# KiCad board Register File.kicad_pcb (continued)
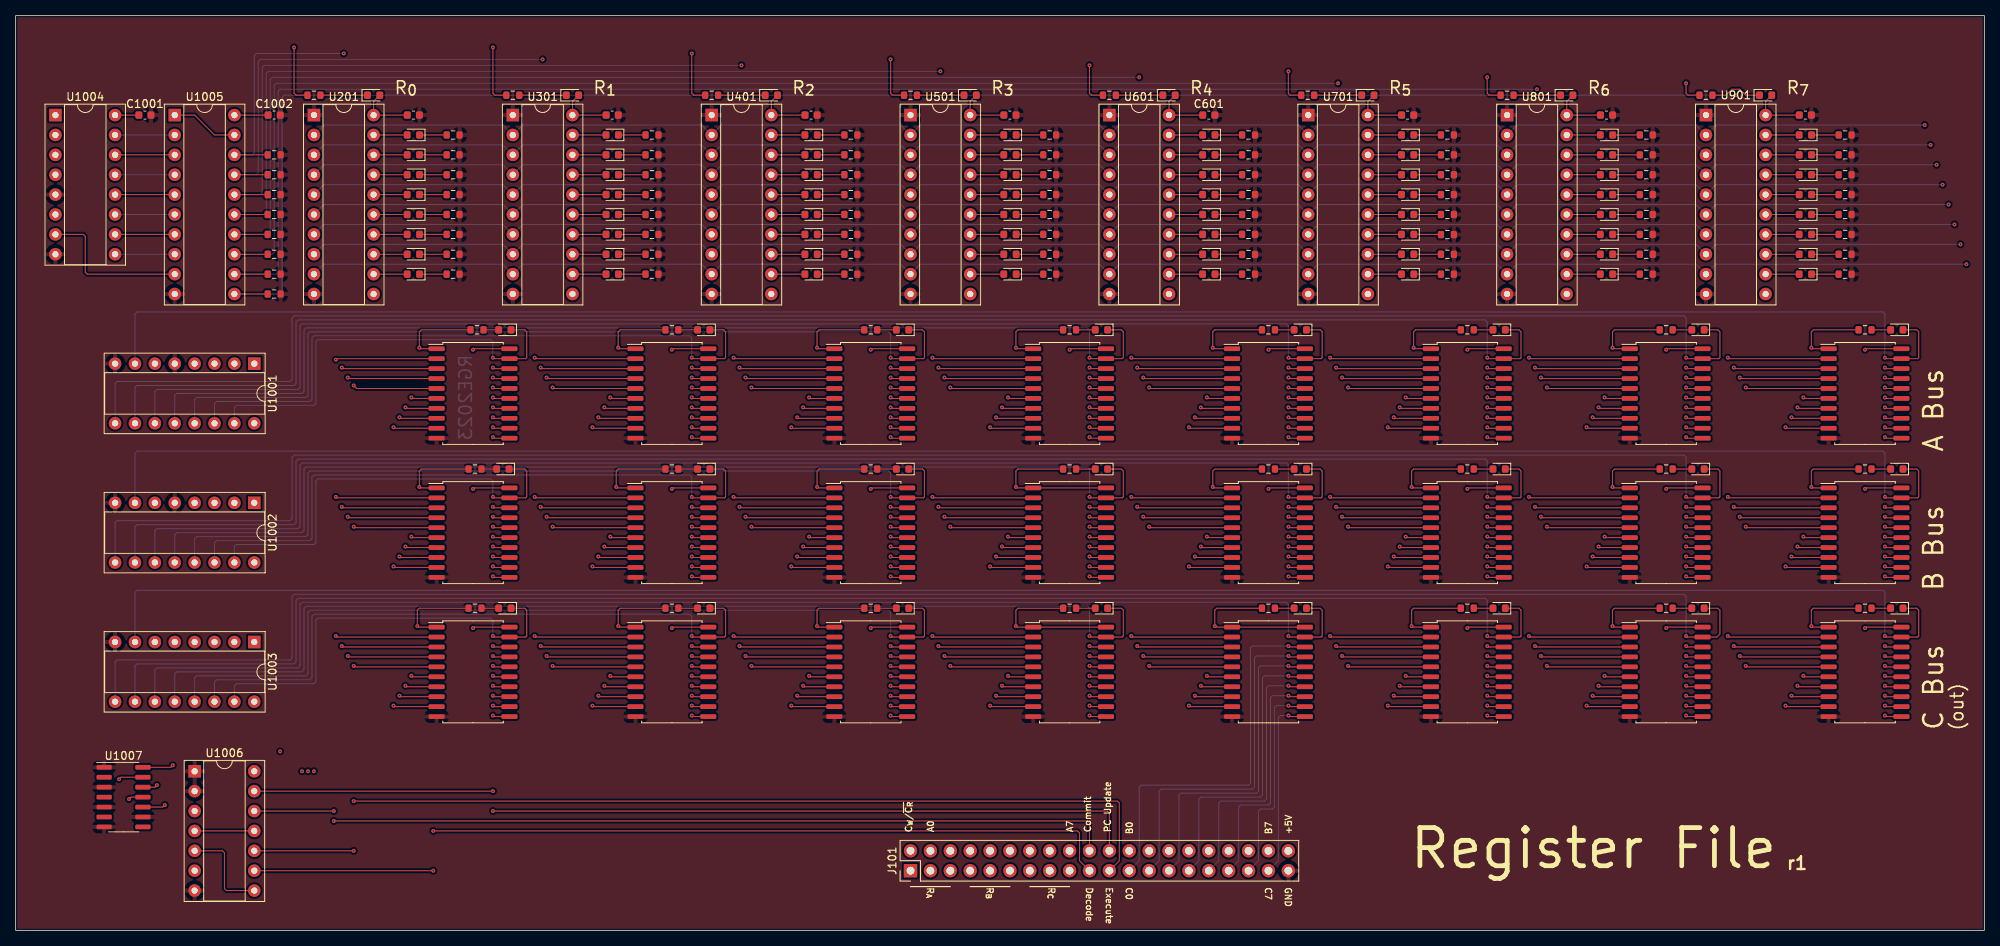
[diagram p0: board, top side]
## Nets (continued)
/Register 0/C2: J101.27 U201.4 U204.16 U301.4 U304.16 U401.4 U404.16 U501.4 U504.16 U601.4 U604.16 U701.4 U704.16 U801.4 U804.16 U901.4 U904.16
/Register 0/C3: J101.29 U201.5 U204.15 U301.5 U304.15 U401.5 U404.15 U501.5 U504.15 U601.5 U604.15 U701.5 U704.15 U801.5 U804.15 U901.5 U904.15
/Register 0/C4: J101.31 U201.6 U204.14 U301.6 U304.14 U401.6 U404.14 U501.6 U504.14 U601.6 U604.14 U701.6 U704.14 U801.6 U804.14 U901.6 U904.14
/Register 0/C5: J101.33 U201.7 U204.13 U301.7 U304.13 U401.7 U404.13 U501.7 U504.13 U601.7 U604.13 U701.7 U704.13 U801.7 U804.13 U901.7 U904.13
/Register 0/C6: J101.35 U201.8 U204.12 U301.8 U304.12 U401.8 U404.12 U501.8 U504.12 U601.8 U604.12 U701.8 U704.12 U801.8 U804.12 U901.8 U904.12
/Register 0/C7: J101.37 U201.9 U204.11 U301.9 U304.11 U401.9 U404.11 U501.9 U504.11 U601.9 U604.11 U701.9 U704.11 U801.9 U804.11 U901.9 U904.11
/Register 0/r0: D201.2 U201.19 U202.2 U203.2 U204.2
/Register 0/r1: D202.2 U201.18 U202.3 U203.3 U204.3
/Register 0/r2: D203.2 U201.17 U202.4 U203.4 U204.4
/Register 0/r3: D204.2 U201.16 U202.5 U203.5 U204.5
/Register 0/r4: D205.2 U201.15 U202.6 U203.6 U204.6
/Register 0/r5: D206.2 U201.14 U202.7 U203.7 U204.7
/Register 0/r6: D207.2 U201.13 U202.8 U203.8 U204.8
/Register 0/r7: D208.2 U201.12 U202.9 U203.9 U204.9
/Register 1/r0: D301.2 U301.19 U302.2 U303.2 U304.2
/Register 1/r1: D302.2 U301.18 U302.3 U303.3 U304.3
/Register 1/r2: D303.2 U301.17 U302.4 U303.4 U304.4
/Register 1/r3: D304.2 U301.16 U302.5 U303.5 U304.5
/Register 1/r4: D305.2 U301.15 U302.6 U303.6 U304.6
/Register 1/r5: D306.2 U301.14 U302.7 U303.7 U304.7
/Register 1/r6: D307.2 U301.13 U302.8 U303.8 U304.8
/Register 1/r7: D308.2 U301.12 U302.9 U303.9 U304.9
/Register 2/r0: D401.2 U401.19 U402.2 U403.2 U404.2
/Register 2/r1: D402.2 U401.18 U402.3 U403.3 U404.3
/Register 2/r2: D403.2 U401.17 U402.4 U403.4 U404.4
/Register 2/r3: D404.2 U401.16 U402.5 U403.5 U404.5
/Register 2/r4: D405.2 U401.15 U402.6 U403.6 U404.6
/Register 2/r5: D406.2 U401.14 U402.7 U403.7 U404.7
/Register 2/r6: D407.2 U401.13 U402.8 U403.8 U404.8
/Register 2/r7: D408.2 U401.12 U402.9 U403.9 U404.9
/Register 3/r0: D501.2 U501.19 U502.2 U503.2 U504.2
/Register 3/r1: D502.2 U501.18 U502.3 U503.3 U504.3
/Register 3/r2: D503.2 U501.17 U502.4 U503.4 U504.4
/Register 3/r3: D504.2 U501.16 U502.5 U503.5 U504.5
/Register 3/r4: D505.2 U501.15 U502.6 U503.6 U504.6
/Register 3/r5: D506.2 U501.14 U502.7 U503.7 U504.7
/Register 3/r6: D507.2 U501.13 U502.8 U503.8 U504.8
/Register 3/r7: D508.2 U501.12 U502.9 U503.9 U504.9
/Register 4/r0: D601.2 U601.19 U602.2 U603.2 U604.2
/Register 4/r1: D602.2 U601.18 U602.3 U603.3 U604.3
/Register 4/r2: D603.2 U601.17 U602.4 U603.4 U604.4
/Register 4/r3: D604.2 U601.16 U602.5 U603.5 U604.5
/Register 4/r4: D605.2 U601.15 U602.6 U603.6 U604.6
/Register 4/r5: D606.2 U601.14 U602.7 U603.7 U604.7
/Register 4/r6: D607.2 U601.13 U602.8 U603.8 U604.8
/Register 4/r7: D608.2 U601.12 U602.9 U603.9 U604.9
/Register 5/r0: D701.2 U701.19 U702.2 U703.2 U704.2
/Register 5/r1: D702.2 U701.18 U702.3 U703.3 U704.3
/Register 5/r2: D703.2 U701.17 U702.4 U703.4 U704.4
/Register 5/r3: D704.2 U701.16 U702.5 U703.5 U704.5
/Register 5/r4: D705.2 U701.15 U702.6 U703.6 U704.6
/Register 5/r5: D706.2 U701.14 U702.7 U703.7 U704.7
/Register 5/r6: D707.2 U701.13 U702.8 U703.8 U704.8
/Register 5/r7: D708.2 U701.12 U702.9 U703.9 U704.9
/Register 6/r0: D801.2 U801.19 U802.2 U803.2 U804.2
/Register 6/r1: D802.2 U801.18 U802.3 U803.3 U804.3
/Register 6/r2: D803.2 U801.17 U802.4 U803.4 U804.4
/Register 6/r3: D804.2 U801.16 U802.5 U803.5 U804.5
/Register 6/r4: D805.2 U801.15 U802.6 U803.6 U804.6
/Register 6/r5: D806.2 U801.14 U802.7 U803.7 U804.7
/Register 6/r6: D807.2 U801.13 U802.8 U803.8 U804.8
/Register 6/r7: D808.2 U801.12 U802.9 U803.9 U804.9
/Register 7/r0: D901.2 U901.19 U902.2 U903.2 U904.2
/Register 7/r1: D902.2 U901.18 U902.3 U903.3 U904.3
/Register 7/r2: D903.2 U901.17 U902.4 U903.4 U904.4
/Register 7/r3: D904.2 U901.16 U902.5 U903.5 U904.5
/Register 7/r4: D905.2 U901.15 U902.6 U903.6 U904.6
/Register 7/r5: D906.2 U901.14 U902.7 U903.7 U904.7
/Register 7/r6: D907.2 U901.13 U902.8 U903.8 U904.8
/Register 7/r7: D908.2 U901.12 U902.9 U903.9 U904.9
/Selectors/C_{Write}0: R1001.1 U201.11 U1005.18
/Selectors/C_{Write}1: R1002.1 U301.11 U1005.17
/Selectors/C_{Write}2: R1003.1 U401.11 U1005.16
/Selectors/C_{Write}3: R1004.1 U501.11 U1005.15
/Selectors/C_{Write}4: R1005.1 U601.11 U1005.14
/Selectors/C_{Write}5: R1006.1 U701.11 U1005.13
/Selectors/C_{Write}6: R1007.1 U801.11 U1005.12
/Selectors/C_{Write}7: R1008.1 U901.11 U1005.11
/Selectors/C_{W}/~{C_{R}}: J101.2 U1003.5 U1004.6
/Selectors/Co: J101.20 U1006.12
/Selectors/De: J101.19 U1006.9
/Selectors/Ex: J101.21 U1006.10 U1007.11
/Selectors/PC: J101.22 U1006.13
/Selectors/R_{A}0: J101.1 U1001.1
/Selectors/R_{A}1: J101.3 U1001.2
/Selectors/R_{A}2: J101.5 U1001.3
/Selectors/R_{B}0: J101.7 U1002.1
/Selectors/R_{B}1: J101.9 U1002.2
/Selectors/R_{B}2: J101.11 U1002.3
/Selectors/R_{C}0: J101.13 U1003.1 U1004.1
/Selectors/R_{C}1: J101.15 U1003.2 U1004.2
/Selectors/R_{C}2: J101.17 U1003.3 U1004.3
/Selectors/W0: R1009.1 U1004.15 U1005.2
/Selectors/W1: R1010.1 U1004.14 U1005.3
/Selectors/W2: R1011.1 U1004.13 U1005.4
/Selectors/W3: R1012.1 U1004.12 U1005.5
/Selectors/W4: R1013.1 U1004.11 U1005.6
/Selectors/W5: R1014.1 U1004.10 U1005.7
/Selectors/W6: R1015.1 U1004.9 U1005.8
/Selectors/W7: R1016.1 U1004.7 U1005.9
/Selectors/~{A_{select}}0: D209.1 U202.19 U1001.15
/Selectors/~{A_{select}}1: D309.1 U302.19 U1001.14
/Selectors/~{A_{select}}2: D409.1 U402.19 U1001.13
/Selectors/~{A_{select}}3: D509.1 U502.19 U1001.12
/Selectors/~{A_{select}}4: D609.1 U602.19 U1001.11
/Selectors/~{A_{select}}5: D709.1 U702.19 U1001.10
/Selectors/~{A_{select}}6: D809.1 U802.19 U1001.9
/Selectors/~{A_{select}}7: D909.1 U902.19 U1001.7
/Selectors/~{Active}: U1001.4 U1002.4 U1003.4 U1004.4 U1007.12
/Selectors/~{B_{select}}0: D211.1 U203.19 U1002.15
/Selectors/~{B_{select}}1: D311.1 U303.19 U1002.14
/Selectors/~{B_{select}}2: D411.1 U403.19 U1002.13
/Selectors/~{B_{select}}3: D511.1 U503.19 U1002.12
/Selectors/~{B_{select}}4: D611.1 U603.19 U1002.11
/Selectors/~{B_{select}}5: D711.1 U703.19 U1002.10
/Selectors/~{B_{select}}6: D811.1 U803.19 U1002.9
/Selectors/~{B_{select}}7: D911.1 U903.19 U1002.7
/Selectors/~{C_{select}}0: D210.1 U204.19 U1003.15
/Selectors/~{C_{select}}1: D310.1 U304.19 U1003.14
/Selectors/~{C_{select}}2: D410.1 U404.19 U1003.13
/Selectors/~{C_{select}}3: D510.1 U504.19 U1003.12
/Selectors/~{C_{select}}4: D610.1 U604.19 U1003.11
/Selectors/~{C_{select}}5: D710.1 U704.19 U1003.10
/Selectors/~{C_{select}}6: D810.1 U804.19 U1003.9
/Selectors/~{C_{select}}7: D910.1 U904.19 U1003.7
/Selectors/~{Execute}: U1005.1 U1005.19 U1007.10
Net-(D201-K): D201.1 R201.2
Net-(D202-K): D202.1 R202.2
Net-(D203-K): D203.1 R203.2
Net-(D204-K): D204.1 R204.2
Net-(D205-K): D205.1 R205.2
Net-(D206-K): D206.1 R206.2
Net-(D207-K): D207.1 R207.2
Net-(D208-K): D208.1 R208.2
Net-(D209-A): D209.2 R209.1
Net-(D210-A): D210.2 R210.1
Net-(D211-A): D211.2 R211.1
Net-(D301-K): D301.1 R301.2
Net-(D302-K): D302.1 R302.2
Net-(D303-K): D303.1 R303.2
Net-(D304-K): D304.1 R304.2
Net-(D305-K): D305.1 R305.2
Net-(D306-K): D306.1 R306.2
Net-(D307-K): D307.1 R307.2
Net-(D308-K): D308.1 R308.2
Net-(D309-A): D309.2 R309.1
Net-(D310-A): D310.2 R310.1
Net-(D311-A): D311.2 R311.1
Net-(D401-K): D401.1 R401.2
Net-(D402-K): D402.1 R402.2
Net-(D403-K): D403.1 R403.2
Net-(D404-K): D404.1 R404.2
Net-(D405-K): D405.1 R405.2
Net-(D406-K): D406.1 R406.2
Net-(D407-K): D407.1 R407.2
Net-(D408-K): D408.1 R408.2
Net-(D409-A): D409.2 R409.1
Net-(D410-A): D410.2 R410.1
Net-(D411-A): D411.2 R411.1
Net-(D501-K): D501.1 R501.2
Net-(D502-K): D502.1 R502.2
Net-(D503-K): D503.1 R503.2
Net-(D504-K): D504.1 R504.2
Net-(D505-K): D505.1 R505.2
Net-(D506-K): D506.1 R506.2
Net-(D507-K): D507.1 R507.2
Net-(D508-K): D508.1 R508.2
Net-(D509-A): D509.2 R509.1
Net-(D510-A): D510.2 R510.1
Net-(D511-A): D511.2 R511.1
Net-(D601-K): D601.1 R601.2
Net-(D602-K): D602.1 R602.2
Net-(D603-K): D603.1 R603.2
Net-(D604-K): D604.1 R604.2
Net-(D605-K): D605.1 R605.2
Net-(D606-K): D606.1 R606.2
Net-(D607-K): D607.1 R607.2
Net-(D608-K): D608.1 R608.2
Net-(D609-A): D609.2 R609.1
Net-(D610-A): D610.2 R610.1
Net-(D611-A): D611.2 R611.1
Net-(D701-K): D701.1 R701.2
Net-(D702-K): D702.1 R702.2
Net-(D703-K): D703.1 R703.2
Net-(D704-K): D704.1 R704.2
Net-(D705-K): D705.1 R705.2
Net-(D706-K): D706.1 R706.2
Net-(D707-K): D707.1 R707.2
Net-(D708-K): D708.1 R708.2
Net-(D709-A): D709.2 R709.1
Net-(D710-A): D710.2 R710.1
Net-(D711-A): D711.2 R711.1
Net-(D801-K): D801.1 R801.2
Net-(D802-K): D802.1 R802.2
Net-(D803-K): D803.1 R803.2
Net-(D804-K): D804.1 R804.2
Net-(D805-K): D805.1 R805.2
Net-(D806-K): D806.1 R806.2
Net-(D807-K): D807.1 R807.2
Net-(D808-K): D808.1 R808.2
Net-(D809-A): D809.2 R809.1
Net-(D810-A): D810.2 R810.1
Net-(D811-A): D811.2 R811.1
Net-(D901-K): D901.1 R901.2
Net-(D902-K): D902.1 R902.2
Net-(D903-K): D903.1 R903.2
Net-(D904-K): D904.1 R904.2
Net-(D905-K): D905.1 R905.2
Net-(D906-K): D906.1 R906.2
Net-(D907-K): D907.1 R907.2
Net-(D908-K): D908.1 R908.2
Net-(D909-A): D909.2 R909.1
Net-(D910-A): D910.2 R910.1
Net-(D911-A): D911.2 R911.1
Net-(D1001-K): D1001.1 R1009.2
Net-(D1002-K): D1002.1 R1010.2
Net-(D1003-K): D1003.1 R1011.2
Net-(D1004-K): D1004.1 R1012.2
Net-(D1005-K): D1005.1 R1013.2
Net-(D1006-K): D1006.1 R1014.2
Net-(D1007-K): D1007.1 R1015.2
Net-(D1008-K): D1008.1 R1016.2
Net-(U1006-Pad5): U1006.5 U1006.8
Net-(U1006-Pad6): U1006.6 U1007.13
Net-(U1006-Pad11): U1006.4 U1006.11

Pads without a net: U1006 3; U1007 2 4 6 8

## Via types
v1: diameter 0.5, hole 0.201, Top to Bottom, 494 vias

## Routing (per net, layer and track width the routed paths; a pad name or vN(x,y) marks a point on that pad's centre or on a via; arc(x,y) is an arc through that point)
+5V: length 449.7
  Top w0.127: R910.2 229.62,41.15 229.36,40.89 v1(229.36,38.86) 229.49,38.73 U904.1 ; U304.20 83.95,38.73 v1(83.82,38.61) ; R611.2 153.16,58.93 152.91,58.67 v1(152.91,56.64) 153.04,56.51 U603.1 ; 190.07,74.29 185.55,74.29 v1(185.42,74.17) ; C501.1 U501.20 121.92,105.89 D1004.2 ; C601.1 U601.20 147.32,105.89 D1005.2 ; v1(83.82,74.17) 83.95,74.29 88.47,74.29 ; U504.20 U504.1 127.89,38.73 v1(127.76,38.86) 127.76,40.89 128.02,41.15 R510.2 ; R811.2 204.22,58.93 203.96,58.67 v1(203.96,56.64) 204.09,56.51 U803.1 ; U603.20 160.15,56.51 v1(160.02,56.39) ; U203.20 58.55,56.51 v1(58.42,56.39) ; 139.27,74.29 134.75,74.29 v1(134.62,74.17) ; R509.2 128.02,76.71 127.76,76.45 v1(127.76,74.42) 127.89,74.29 129.97,74.29 ; R610.2 153.42,41.15 153.16,40.89 v1(153.16,38.86) 153.29,38.73 U604.1 U604.20 ; U704.20 185.55,38.73 v1(185.42,38.61) ; U403.20 109.35,56.51 v1(109.22,56.39) ; 231.57,74.29 229.49,74.29 v1(229.36,74.42) 229.36,76.45 229.62,76.71 R909.2 ; U403.1 102.49,56.51 v1(102.36,56.64) 102.36,58.67 102.62,58.93 R411.2 ; R809.2 204.22,76.71 203.96,76.45 v1(203.96,74.42) 204.09,74.29 206.17,74.29 ; R911.2 229.62,58.93 229.36,58.67 v1(229.36,56.64) 229.49,56.51 U903.1 ; U803.20 210.95,56.51 v1(210.82,56.39) ; R309.2 77.22,76.71 76.96,76.45 v1(76.96,74.42) 77.09,74.29 79.17,74.29 ; U704.1 178.44,38.73 v1(178.31,38.86) 178.31,40.89 178.56,41.15 R710.2 ; R409.2 102.62,76.71 102.36,76.45 v1(102.36,74.42) 102.49,74.29 104.57,74.29 ; v1(185.42,56.39) 185.55,56.51 U703.20 ; v1(109.22,74.17) 109.35,74.29 113.87,74.29 ; R211.2 51.82,58.93 51.56,58.67 v1(51.56,56.64) 51.69,56.51 U203.1 ; v1(236.22,38.61) 236.35,38.73 U904.20 ; 180.77,74.29 178.69,74.29 v1(178.56,74.42) 178.56,76.45 178.82,76.71 R709.2 ; v1(160.02,74.17) 160.15,74.29 164.67,74.29 ; v1(210.82,38.61) 210.95,38.73 U804.20 ; U503.20 U503.1 127.89,56.51 v1(127.76,56.64) 127.76,58.67 128.02,58.93 R511.2 ; U404.20 109.35,38.73 v1(109.22,38.61) ; v1(83.82,56.39) 83.95,56.51 U303.20 ; v1(236.22,74.17) 236.35,74.29 240.87,74.29 ; v1(210.82,74.17) 210.95,74.29 215.47,74.29 ; R609.2 153.16,76.71 152.91,76.45 v1(152.91,74.42) 153.04,74.29 155.37,74.29 ; v1(20.07,21.08) 19.81,20.83 U1007.14 ; R209.2 51.82,76.71 51.56,76.45 v1(51.56,74.42) 51.69,74.29 53.77,74.29 ; D1001.2 45.72,105.89 U201.20 C201.1 ; C701.1 U701.20 172.72,105.89 D1006.2 ; U204.1 51.44,38.73 v1(51.31,38.86) 51.31,40.89 51.56,41.15 R210.2 ; D1007.2 198.12,105.89 U801.20 C801.1 ; U1005.20 C1002.1 ; U1004.16 C1001.1 ; U204.20 58.55,38.73 v1(58.42,38.61) ; C301.1 U301.20 71.12,105.89 D1002.2 ; U703.1 178.44,56.51 v1(178.31,56.64) 178.31,58.67 178.56,58.93 R711.2 ; R410.2 102.62,41.15 102.36,40.89 v1(102.36,38.86) 102.49,38.73 U404.1 ; D1008.2 223.52,105.89 U901.20 C901.1 ; C401.1 U401.20 96.52,105.89 D1003.2 ; U804.1 204.09,38.73 v1(203.96,38.86) 203.96,40.89 204.22,41.15 R810.2 ; U303.1 76.83,56.51 v1(76.71,56.64) 76.71,58.67 76.96,58.93 R311.2 ; R310.2 77.22,41.15 76.96,40.89 v1(76.96,38.86) 77.09,38.73 U304.1 ; v1(58.42,74.17) 58.55,74.29 63.07,74.29 ; v1(236.22,56.39) 236.35,56.51 U903.20
/Register 0/A0: length 281.1
  Top w0.127: 240.87,71.75 238.89,71.75 v1(238.76,71.88) ; 63.07,71.75 61.09,71.75 v1(60.96,71.88) ; v1(162.56,71.88) 162.69,71.75 164.67,71.75 ; 215.47,71.75 213.49,71.75 v1(213.36,71.88) ; 113.87,71.75 111.89,71.75 v1(111.76,71.88) ; 88.47,71.75 86.49,71.75 v1(86.36,71.88) ; 139.27,71.75 137.29,71.75 v1(137.16,71.88) ; v1(187.96,71.88) 188.09,71.75 190.07,71.75
  In1.Cu w0.127: v1(137.16,71.88) 132.59,71.88 132.33,71.63 132.33,21.08 132.08,20.83 117.09,20.83 116.84,20.57 J101.4
  In2.Cu w0.127: v1(238.76,71.88) 238,72.64 219.2,72.64 218.69,72.14 213.61,72.14 v1(213.36,71.88) 212.6,72.64 193.8,72.64 193.29,72.14 188.21,72.14 v1(187.96,71.88) 187.2,72.64 168.4,72.64 167.89,72.14 162.81,72.14 v1(162.56,71.88) 161.8,72.64 143,72.64 142.49,72.14 137.41,72.14 v1(137.16,71.88) 136.4,72.64 117.6,72.64 117.09,72.14 112.01,72.14 v1(111.76,71.88) 111,72.64 92.2,72.64 91.69,72.14 86.61,72.14 v1(86.36,71.88) 85.6,72.64 66.8,72.64 66.29,72.14 61.21,72.14 v1(60.96,71.88)
/Register 0/A1: length 277.3
  Top w0.127: v1(60.96,70.61) 61.09,70.48 U202.17 ; v1(111.76,70.61) 111.89,70.48 U402.17 ; U302.17 86.49,70.48 v1(86.36,70.61) ; v1(213.36,70.61) 213.49,70.48 U802.17 ; v1(187.96,70.61) 188.09,70.48 U702.17 ; U502.17 137.29,70.48 v1(137.16,70.61) ; v1(162.56,70.61) 162.69,70.48 U602.17 ; v1(238.76,70.61) 238.89,70.48 U902.17
  In1.Cu w0.127: v1(137.16,70.61) 133.1,70.61 132.84,70.36 132.84,20.57 132.59,20.32 119.63,20.32 119.38,20.07 J101.6
  In2.Cu w0.127: v1(238.76,70.61) 238,71.37 219.96,71.37 219.46,70.87 213.61,70.87 v1(213.36,70.61) 212.6,71.37 194.56,71.37 194.06,70.87 188.21,70.87 v1(187.96,70.61) 187.2,71.37 169.16,71.37 168.66,70.87 162.81,70.87 v1(162.56,70.61) 161.8,71.37 143.76,71.37 143.26,70.87 137.41,70.87 v1(137.16,70.61) 136.4,71.37 118.36,71.37 117.86,70.87 112.01,70.87 v1(111.76,70.61) 111,71.37 92.96,71.37 92.46,70.87 86.61,70.87 v1(86.36,70.61) 85.6,71.37 67.56,71.37 67.06,70.87 61.21,70.87 v1(60.96,70.61)
/Register 0/A2: length 273.5
  Top w0.127: U302.16 86.49,69.21 v1(86.36,69.34) ; v1(137.16,69.34) 137.29,69.21 U502.16 ; v1(60.96,69.34) 61.09,69.21 U202.16 ; v1(238.76,69.34) 238.89,69.21 U902.16 ; U702.16 188.09,69.21 v1(187.96,69.34) ; U402.16 111.89,69.21 v1(111.76,69.34) ; U802.16 213.49,69.21 v1(213.36,69.34) ; U602.16 162.69,69.21 v1(162.56,69.34)
  In1.Cu w0.127: v1(137.16,69.34) 133.6,69.34 133.35,69.09 133.35,20.07 133.1,19.81 122.17,19.81 121.92,19.56 J101.8
  In2.Cu w0.127: v1(238.76,69.34) 238,70.1 220.73,70.1 220.22,69.6 213.61,69.6 v1(213.36,69.34) 212.6,70.1 195.33,70.1 194.82,69.6 188.21,69.6 v1(187.96,69.34) 187.2,70.1 169.93,70.1 169.42,69.6 162.81,69.6 v1(162.56,69.34) 161.8,70.1 144.53,70.1 144.02,69.6 137.41,69.6 v1(137.16,69.34) 136.4,70.1 119.13,70.1 118.62,69.6 112.01,69.6 v1(111.76,69.34) 111,70.1 93.73,70.1 93.22,69.6 86.61,69.6 v1(86.36,69.34) 85.6,70.1 68.33,70.1 67.82,69.6 61.21,69.6 v1(60.96,69.34)
/Register 0/A3: length 269.7
  Top w0.127: v1(60.96,68.07) 61.09,67.94 U202.15 ; v1(86.36,68.07) 86.49,67.94 U302.15 ; v1(213.36,68.07) 213.49,67.94 U802.15 ; U902.15 238.89,67.94 v1(238.76,68.07) ; U402.15 111.89,67.94 v1(111.76,68.07) ; U602.15 162.69,67.94 v1(162.56,68.07) ; U502.15 137.29,67.94 v1(137.16,68.07) ; v1(187.96,68.07) 188.09,67.94 U702.15
  In1.Cu w0.127: J101.10 124.46,19.05 124.71,19.3 133.6,19.3 133.86,19.56 133.86,67.82 134.11,68.07 v1(137.16,68.07)
  In2.Cu w0.127: v1(238.76,68.07) 238,68.83 221.49,68.83 220.98,68.33 213.61,68.33 v1(213.36,68.07) 212.6,68.83 196.09,68.83 195.58,68.33 188.21,68.33 v1(187.96,68.07) 187.2,68.83 170.69,68.83 170.18,68.33 162.81,68.33 v1(162.56,68.07) 161.8,68.83 155.7,68.83 155.7,68.83 145.28,68.83 144.78,68.33 137.41,68.33 v1(137.16,68.07) 136.4,68.83 119.89,68.83 119.38,68.33 112.01,68.33 v1(111.76,68.07) 111,68.83 94.49,68.83 93.98,68.33 86.61,68.33 v1(86.36,68.07) 85.6,68.83 69.09,68.83 68.58,68.33 61.21,68.33 v1(60.96,68.07)
/Register 0/A4: length 268
  Top w0.127: U502.14 137.29,66.67 v1(137.16,66.8) ; v1(86.36,66.8) 86.49,66.67 U302.14 ; U202.14 61.09,66.67 v1(60.96,66.8) ; U602.14 162.69,66.67 v1(162.56,66.8) ; U902.14 238.89,66.67 v1(238.76,66.8) ; v1(213.36,66.8) 213.49,66.67 U802.14 ; U402.14 111.89,66.67 v1(111.76,66.8) ; U702.14 188.09,66.67 v1(187.96,66.8)
  In1.Cu w0.127: J101.12 127,18.54 127.25,18.8 134.11,18.8 134.37,19.05 134.37,66.55 134.62,66.8 v1(137.16,66.8)
  In2.Cu w0.127: v1(238.76,66.8) 238.51,67.06 228.09,67.06 227.58,67.56 213.61,67.56 213.36,67.31 v1(213.36,66.8) 213.11,67.06 202.69,67.06 202.18,67.56 188.21,67.56 187.96,67.31 v1(187.96,66.8) 187.71,67.06 177.29,67.06 176.78,67.56 162.81,67.56 162.56,67.31 v1(162.56,66.8) 162.31,67.06 151.89,67.06 151.38,67.56 137.41,67.56 137.16,67.31 v1(137.16,66.8) 136.91,67.06 126.49,67.06 125.98,67.56 112.01,67.56 111.76,67.31 v1(111.76,66.8) 111.51,67.06 101.09,67.06 100.58,67.56 86.61,67.56 86.36,67.31 v1(86.36,66.8) 86.11,67.06 75.69,67.06 75.18,67.56 61.21,67.56 60.96,67.31 v1(60.96,66.8)
/Register 0/A5: length 264.2
  Top w0.127: U202.13 61.09,65.4 v1(60.96,65.53) ; U402.13 111.89,65.4 v1(111.76,65.53) ; U702.13 188.09,65.4 v1(187.96,65.53) ; U802.13 213.49,65.4 v1(213.36,65.53) ; v1(238.76,65.53) 238.89,65.4 U902.13 ; U302.13 86.49,65.4 v1(86.36,65.53) ; v1(137.16,65.53) 137.29,65.4 U502.13 ; U602.13 162.69,65.4 v1(162.56,65.53)
  In1.Cu w0.127: J101.14 129.54,18.03 129.79,18.29 134.62,18.29 134.87,18.54 134.87,65.28 135.13,65.53 v1(137.16,65.53)
  In2.Cu w0.127: v1(238.76,65.53) 238.51,65.79 227.33,65.79 226.82,66.29 213.61,66.29 213.36,66.04 v1(213.36,65.53) 213.11,65.79 201.93,65.79 201.42,66.29 188.21,66.29 187.96,66.04 v1(187.96,65.53) 187.71,65.79 176.53,65.79 176.02,66.29 162.81,66.29 162.56,66.04 v1(162.56,65.53) 162.31,65.79 151.13,65.79 150.62,66.29 137.41,66.29 137.16,66.04 v1(137.16,65.53) 136.91,65.79 125.73,65.79 125.22,66.29 125.22,66.29 117.1,66.29 117.09,66.29 112.01,66.29 111.76,66.04 v1(111.76,65.53) 111.51,65.79 100.33,65.79 99.82,66.29 86.61,66.29 86.36,66.04 v1(86.36,65.53) 86.11,65.79 74.93,65.79 74.42,66.29 61.21,66.29 60.96,66.04 v1(60.96,65.53)
/Register 0/A6: length 260.3
  Top w0.127: U202.12 61.09,64.13 v1(60.96,64.26) ; U402.12 111.89,64.13 v1(111.76,64.26) ; U302.12 86.49,64.13 v1(86.36,64.26) ; U602.12 162.69,64.13 v1(162.56,64.26) ; v1(238.76,64.26) 238.89,64.13 U902.12 ; U702.12 188.09,64.13 v1(187.96,64.26) ; v1(213.36,64.26) 213.49,64.13 U802.12 ; v1(137.16,64.26) 137.29,64.13 U502.12
  In1.Cu w0.127: v1(137.16,64.26) 135.64,64.26 135.38,64.01 135.38,18.03 135.13,17.78 132.33,17.78 132.08,17.53 J101.16
  In2.Cu w0.127: v1(60.96,64.26) 60.96,64.77 61.21,65.02 73.66,65.02 74.17,64.52 86.11,64.52 v1(86.36,64.26) 86.36,64.77 86.61,65.02 99.06,65.02 99.57,64.52 111.51,64.52 v1(111.76,64.26) 111.76,64.77 112.01,65.02 124.46,65.02 124.97,64.52 136.91,64.52 v1(137.16,64.26) 137.16,64.77 137.41,65.02 149.86,65.02 150.37,64.52 162.31,64.52 v1(162.56,64.26) 162.56,64.77 162.81,65.02 175.26,65.02 175.77,64.52 187.71,64.52 v1(187.96,64.26) 187.96,64.77 188.21,65.02 200.66,65.02 201.17,64.52 213.11,64.52 v1(213.36,64.26) 213.36,64.77 213.61,65.02 226.06,65.02 226.57,64.52 238.51,64.52 v1(238.76,64.26)
/Register 0/A7: length 256.1
  Top w0.127: v1(86.36,62.99) 86.49,62.86 U302.11 ; v1(213.36,62.99) 213.49,62.86 U802.11 ; v1(238.76,62.99) 238.89,62.86 U902.11 ; v1(137.16,62.99) 137.29,62.86 U502.11 ; U202.11 61.09,62.86 v1(60.96,62.99) ; U602.11 162.69,62.86 v1(162.56,62.99) ; v1(187.96,62.99) 188.09,62.86 U702.11 ; U402.11 111.89,62.86 v1(111.76,62.99)
  In1.Cu w0.127: J101.18 135.89,11.43 135.89,62.74 136.14,62.99 v1(137.16,62.99)
  In2.Cu w0.127: v1(60.96,62.99) 60.96,63.5 61.21,63.75 72.9,63.75 73.41,63.25 86.11,63.25 v1(86.36,62.99) 86.36,63.5 86.61,63.75 98.3,63.75 98.81,63.25 111.51,63.25 v1(111.76,62.99) 111.76,63.5 112.01,63.75 123.7,63.75 124.21,63.25 136.91,63.25 v1(137.16,62.99) 137.16,63.5 137.41,63.75 149.1,63.75 149.61,63.25 162.31,63.25 v1(162.56,62.99) 162.56,63.5 162.81,63.75 174.5,63.75 175.01,63.25 187.71,63.25 v1(187.96,62.99) 187.96,63.5 188.21,63.75 199.9,63.75 200.41,63.25 213.11,63.25 v1(213.36,62.99) 213.36,63.5 213.61,63.75 225.3,63.75 225.81,63.25 238.51,63.25 v1(238.76,62.99)
/Register 0/B0: length 263.3
  Top w0.127: U803.18 213.49,53.97 v1(213.36,54.1) ; v1(238.76,54.1) 238.89,53.97 U903.18 ; U703.18 188.09,53.97 v1(187.96,54.1) ; v1(60.96,54.1) 61.09,53.97 U203.18 ; v1(162.56,54.1) 162.69,53.97 U603.18 ; U503.18 137.29,53.97 v1(137.16,54.1) ; U303.18 86.49,53.97 v1(86.36,54.1) ; v1(111.76,54.1) 111.89,53.97 U403.18
  In1.Cu w0.127: v1(162.56,54.1) 157.73,54.1 157.48,53.85 157.48,19.05 157.23,18.8 142.49,18.8 142.24,18.54 J101.24
  In2.Cu w0.127: v1(238.76,54.1) 238,54.86 219.2,54.86 218.69,54.36 213.61,54.36 v1(213.36,54.1) 212.6,54.86 194.06,54.86 193.55,54.36 188.21,54.36 v1(187.96,54.1) 187.2,54.86 168.4,54.86 167.89,54.36 162.81,54.36 v1(162.56,54.1) 161.8,54.86 143,54.86 142.49,54.36 137.41,54.36 v1(137.16,54.1) 136.4,54.86 117.6,54.86 117.09,54.36 112.01,54.36 v1(111.76,54.1) 111,54.86 92.2,54.86 91.69,54.36 86.61,54.36 v1(86.36,54.1) 85.6,54.86 66.8,54.86 66.29,54.36 61.21,54.36 v1(60.96,54.1)
/Register 0/B1: length 259.5
  Top w0.127: v1(137.16,52.83) 137.29,52.7 U503.17 ; v1(111.76,52.83) 111.89,52.7 U403.17 ; v1(187.96,52.83) 188.09,52.7 U703.17 ; v1(86.36,52.83) 86.49,52.7 U303.17 ; v1(60.96,52.83) 61.09,52.7 U203.17 ; U603.17 162.69,52.7 v1(162.56,52.83) ; U803.17 213.49,52.7 v1(213.36,52.83) ; v1(238.76,52.83) 238.89,52.7 U903.17
  In1.Cu w0.127: J101.26 144.78,18.03 145.03,18.29 157.73,18.29 157.99,18.54 157.99,52.58 158.24,52.83 v1(162.56,52.83)
  In2.Cu w0.127: v1(60.96,52.83) 61.21,53.09 67.06,53.09 67.56,53.59 85.6,53.59 v1(86.36,52.83) 86.61,53.09 92.46,53.09 92.96,53.59 111,53.59 v1(111.76,52.83) 112.01,53.09 117.86,53.09 118.36,53.59 136.4,53.59 v1(137.16,52.83) 137.41,53.09 143.26,53.09 143.76,53.59 161.8,53.59 v1(162.56,52.83) 162.81,53.09 168.66,53.09 169.16,53.59 187.2,53.59 v1(187.96,52.83) 188.21,53.09 194.06,53.09 194.56,53.59 212.6,53.59 v1(213.36,52.83) 213.61,53.09 219.46,53.09 219.96,53.59 238,53.59 v1(238.76,52.83)
/Register 0/B2: length 255.7
  Top w0.127: U203.16 61.09,51.43 v1(60.96,51.56) ; U803.16 213.49,51.43 v1(213.36,51.56) ; U703.16 188.09,51.43 v1(187.96,51.56) ; v1(86.36,51.56) 86.49,51.43 U303.16 ; U503.16 137.29,51.43 v1(137.16,51.56) ; v1(162.56,51.56) 162.69,51.43 U603.16 ; v1(238.76,51.56) 238.89,51.43 U903.16 ; U403.16 111.89,51.43 v1(111.76,51.56)
  In1.Cu w0.127: J101.28 147.32,17.53 147.57,17.78 158.24,17.78 158.5,18.03 158.5,51.31 158.75,51.56 v1(162.56,51.56)
  In2.Cu w0.127: v1(238.76,51.56) 238,52.32 220.73,52.32 220.22,51.82 213.61,51.82 v1(213.36,51.56) 212.6,52.32 195.33,52.32 194.82,51.82 188.21,51.82 v1(187.96,51.56) 187.2,52.32 169.93,52.32 169.42,51.82 162.81,51.82 v1(162.56,51.56) 161.8,52.32 144.53,52.32 144.02,51.82 137.41,51.82 v1(137.16,51.56) 136.4,52.32 119.13,52.32 118.62,51.82 112.01,51.82 v1(111.76,51.56) 111,52.32 93.73,52.32 93.22,51.82 86.61,51.82 v1(86.36,51.56) 85.6,52.32 68.33,52.32 67.82,51.82 61.21,51.82 v1(60.96,51.56)
/Register 0/B3: length 251.9
  Top w0.127: v1(162.56,50.29) 162.69,50.16 U603.15 ; U303.15 86.49,50.16 v1(86.36,50.29) ; v1(238.76,50.29) 238.89,50.16 U903.15 ; U803.15 213.49,50.16 v1(213.36,50.29) ; U503.15 137.29,50.16 v1(137.16,50.29) ; v1(111.76,50.29) 111.89,50.16 U403.15 ; v1(60.96,50.29) 61.09,50.16 U203.15 ; v1(187.96,50.29) 188.09,50.16 U703.15
  In1.Cu w0.127: v1(162.56,50.29) 159.26,50.29 159,50.04 159,17.53 158.75,17.27 150.11,17.27 149.86,17.02 J101.30
  In2.Cu w0.127: v1(60.96,50.29) 61.21,50.55 68.58,50.55 69.09,51.05 85.6,51.05 v1(86.36,50.29) 86.61,50.55 93.98,50.55 94.49,51.05 111,51.05 v1(111.76,50.29) 112.01,50.55 119.38,50.55 119.89,51.05 136.4,51.05 v1(137.16,50.29) 137.41,50.55 144.78,50.55 145.29,51.05 161.8,51.05 v1(162.56,50.29) 162.81,50.55 170.18,50.55 170.69,51.05 187.2,51.05 v1(187.96,50.29) 188.21,50.55 195.58,50.55 196.09,51.05 212.6,51.05 v1(213.36,50.29) 213.61,50.55 220.98,50.55 221.49,51.05 238,51.05 v1(238.76,50.29)
/Register 0/B4: length 250.2
  Top w0.127: v1(238.76,49.02) 238.89,48.89 U903.14 ; v1(162.56,49.02) 162.69,48.89 U603.14 ; U703.14 188.09,48.89 v1(187.96,49.02) ; U303.14 86.49,48.89 v1(86.36,49.02) ; v1(213.36,49.02) 213.49,48.89 U803.14 ; U403.14 111.89,48.89 v1(111.76,49.02) ; v1(60.96,49.02) 61.09,48.89 U203.14 ; U503.14 137.29,48.89 v1(137.16,49.02)
  In1.Cu w0.127: J101.32 152.4,16.51 152.65,16.76 159.26,16.76 159.51,17.02 159.51,48.77 159.77,49.02 v1(162.56,49.02)
  In2.Cu w0.127: v1(238.76,49.02) 238.51,49.28 228.09,49.28 227.58,49.78 213.61,49.78 213.36,49.53 v1(213.36,49.02) 213.11,49.28 202.69,49.28 202.18,49.78 188.21,49.78 187.96,49.53 v1(187.96,49.02) 187.71,49.28 177.29,49.28 176.78,49.78 162.81,49.78 162.56,49.53 v1(162.56,49.02) 162.31,49.28 151.89,49.28 151.38,49.78 137.41,49.78 137.16,49.53 v1(137.16,49.02) 136.91,49.28 126.49,49.28 125.98,49.78 112.01,49.78 111.76,49.53 v1(111.76,49.02) 111.51,49.28 101.09,49.28 100.58,49.78 86.61,49.78 86.36,49.53 v1(86.36,49.02) 86.11,49.28 75.69,49.28 75.18,49.78 61.21,49.78 60.96,49.53 v1(60.96,49.02)
/Register 0/B5: length 246.4
  Top w0.127: v1(86.36,47.75) 86.49,47.62 88.47,47.62 ; v1(60.96,47.75) 61.09,47.62 63.07,47.62 ; 164.67,47.62 162.69,47.62 v1(162.56,47.75) ; 113.87,47.62 111.89,47.62 v1(111.76,47.75) ; 215.47,47.62 213.49,47.62 v1(213.36,47.75) ; v1(238.76,47.75) 238.89,47.62 240.87,47.62 ; 139.27,47.62 137.29,47.62 v1(137.16,47.75) ; v1(187.96,47.75) 188.09,47.62 190.07,47.62
  In1.Cu w0.127: J101.34 154.94,16 155.19,16.26 159.77,16.26 160.02,16.51 160.02,47.5 160.27,47.75 v1(162.56,47.75)
  In2.Cu w0.127: v1(60.96,47.75) 60.96,48.26 61.21,48.51 74.42,48.51 74.93,48.01 86.11,48.01 v1(86.36,47.75) 86.36,48.26 86.61,48.51 99.82,48.51 100.33,48.01 111.51,48.01 v1(111.76,47.75) 111.76,48.26 112.01,48.51 112.02,48.51 112.02,48.51 125.22,48.51 125.73,48.01 136.91,48.01 v1(137.16,47.75) 137.16,48.26 137.41,48.51 150.62,48.51 151.13,48.01 162.31,48.01 v1(162.56,47.75) 162.56,48.26 162.81,48.51 176.02,48.51 176.53,48.01 187.71,48.01 v1(187.96,47.75) 187.96,48.26 188.21,48.51 201.42,48.51 201.93,48.01 213.11,48.01 v1(213.36,47.75) 213.36,48.26 213.61,48.51 226.82,48.51 227.33,48.01 238.51,48.01 v1(238.76,47.75)
/Register 0/B6: length 242.6
  Top w0.127: v1(60.96,46.48) 61.09,46.35 U203.12 ; U303.12 86.49,46.35 v1(86.36,46.48) ; U403.12 111.89,46.35 v1(111.76,46.48) ; v1(238.76,46.48) 238.89,46.35 U903.12 ; U603.12 162.69,46.35 v1(162.56,46.48) ; U503.12 137.29,46.35 v1(137.16,46.48) ; U803.12 213.49,46.35 v1(213.36,46.48) ; U703.12 188.09,46.35 v1(187.96,46.48)
  In1.Cu w0.127: J101.36 157.48,15.49 157.73,15.75 160.27,15.75 160.53,16 160.53,46.23 160.78,46.48 v1(162.56,46.48)
  In2.Cu w0.127: v1(238.76,46.48) 238.51,46.74 226.82,46.74 226.31,47.24 213.61,47.24 213.36,46.99 v1(213.36,46.48) 213.11,46.74 201.17,46.74 200.66,47.24 188.21,47.24 187.96,46.99 v1(187.96,46.48) 187.71,46.74 175.77,46.74 175.26,47.24 162.81,47.24 162.56,46.99 v1(162.56,46.48) 162.31,46.74 150.37,46.74 149.86,47.24 137.41,47.24 137.16,46.99 v1(137.16,46.48) 136.91,46.74 124.97,46.74 124.46,47.24 112.01,47.24 111.76,46.99 v1(111.76,46.48) 111.51,46.74 99.57,46.74 99.06,47.24 86.61,47.24 86.36,46.99 v1(86.36,46.48) 86.11,46.74 74.17,46.74 73.66,47.24 61.21,47.24 60.96,46.99 v1(60.96,46.48)
/Register 0/B7: length 238.5
  Top w0.127: v1(238.76,45.21) 238.89,45.08 U903.11 ; v1(111.76,45.21) 111.89,45.08 U403.11 ; v1(86.36,45.21) 86.49,45.08 U303.11 ; U803.11 213.49,45.08 v1(213.36,45.21) ; U603.11 162.69,45.08 v1(162.56,45.21) ; v1(187.96,45.21) 188.09,45.08 U703.11 ; U503.11 137.29,45.08 v1(137.16,45.21) ; v1(60.96,45.21) 61.09,45.08 U203.11
  In1.Cu w0.127: J101.38 161.04,11.18 161.04,44.96 161.29,45.21 v1(162.56,45.21)
  In2.Cu w0.127: v1(238.76,45.21) 238.51,45.47 225.81,45.47 225.3,45.97 213.61,45.97 213.36,45.72 v1(213.36,45.21) 213.11,45.47 200.41,45.47 199.9,45.97 188.21,45.97 187.96,45.72 v1(187.96,45.21) 187.71,45.47 175.01,45.47 174.5,45.97 162.81,45.97 162.56,45.72 v1(162.56,45.21) 162.31,45.47 149.61,45.47 149.1,45.97 137.41,45.97 137.16,45.72 v1(137.16,45.21) 136.91,45.47 124.21,45.47 123.7,45.97 112.01,45.97 111.76,45.72 v1(111.76,45.21) 111.51,45.47 98.81,45.47 98.3,45.97 86.61,45.97 86.36,45.72 v1(86.36,45.21) 86.11,45.47 73.41,45.47 72.9,45.97 61.21,45.97 60.96,45.72 v1(60.96,45.21)
